# Altium PCB knixx_SW4_00.PcbDoc (continued)
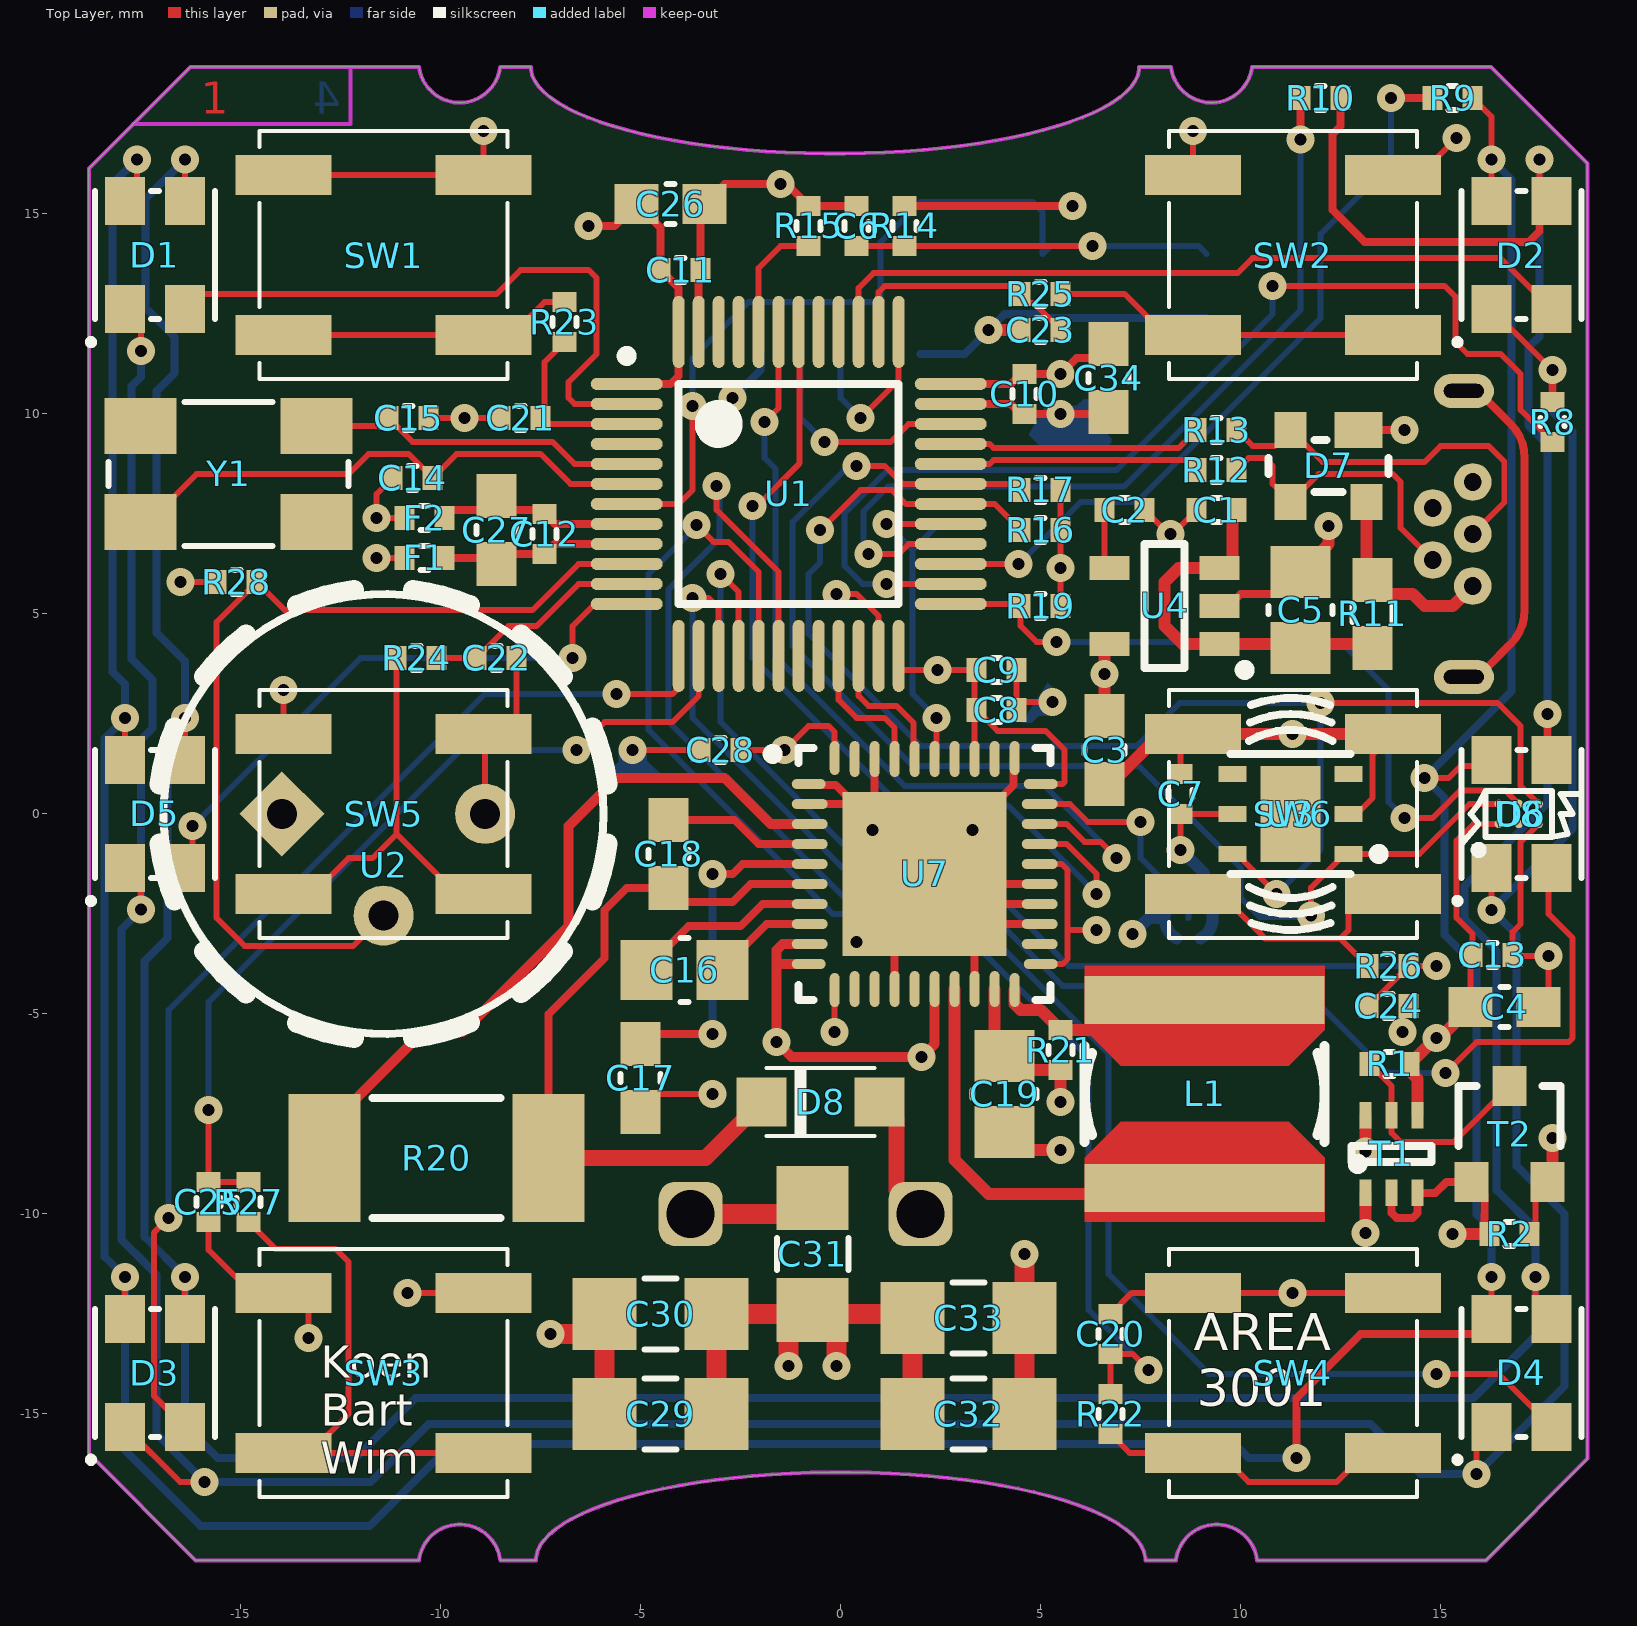
[diagram p0: Top Layer view]
## Footprints (in the part's own frame and the unit in brackets; to place one, negate y for a bottom-side part, rotate by r counter-clockwise, add the part's x,y. Pads: shape width x height; smd on the part's side, far side on the other; paste and mask are expansions set on the pad)
ABMM2 [mm]
  rect 1.8x1.4 smd: 1(-2.2,-1.2) 2(2.2,-1.2) 3(2.2,1.2) 4(-2.2,1.2)
  silkscreen extent -3,-1.8 3,1.8, body extent -3,-1.8 3,1.8, height 1.21
AMS_6TSV [mm] "Through Silicon Via package"
  round 0.213 smd: 1(-0.5,-0.25) 2(0,-0.25) 3(0.5,-0.25) 4(0.5,0.25) 5(0,0.25) 6(-0.5,0.25)
  silkscreen extent -1.1,-1 0.83,0.57, body extent -0.83,-0.57 0.83,0.57, height 0.33
C0402 [mm]
  rect 0.5x0.6 smd: 1(-0.5,0) 2(0.5,0)
  silkscreen extent -0.1,-0.3 0.1,0.3, body extent -0.5,-0.25 0.5,0.25, height 0.5
C0603_N [mm] "Low density"
  rect 1.1x1 smd: 1(-0.85,0) 2(0.85,0)
  silkscreen extent -0.1,-0.5 0.1,0.5, body extent -0.8,-0.4 0.8,0.4, height 0.3
C0805_N [mm] "Low density"
  rect 1.3x1.5 smd: 1(-0.95,0) 2(0.95,0)
  silkscreen extent -0.1,-0.8 0.1,0.8, body extent -1,-0.62 1,0.63, height 0.78
C1206_N [mm] "low density"
  rect 1.6x1.8 smd: 1(-1.4,0) 2(1.4,0)
  silkscreen extent -0.4,-0.89 0.4,0.89, body extent -1.6,-0.8 1.6,0.8, height 1
CK_KMR4 [mm] "C&K KMR 4 series tactile switches"
  rect 0.9x1 smd: 1(-2.05,-0.8) 1(2.05,-0.8) 2(-2.05,0.8) 2(2.05,0.8)
  silkscreen extent -2.1,-1.4 2.1,1.4, body extent -2.1,-1.4 2.1,1.4, height 2.5
CK_KSC6XXJ [mm] "C&K KSC6 series tactile switches"
  rect 2.4x1 smd: 1(-2.5,-2) 1(2.5,-2) 2(-2.5,2) 2(2.5,2)
  silkscreen extent -3.1,-3.1 3.1,3.1, body extent -3.4,-3.15 3.4,3.15, height 7.67
CK_KSC6xxJ [mm] "C&K KSC6 series tactile switches"
  rect 2.4x1 smd: 1(-2.5,-2) 1(2.5,-2) 2(-2.5,2) 2(2.5,2)
  silkscreen extent -3.1,-3.1 3.1,3.1, body extent -3.4,-3.15 3.4,3.15, height 7.67
CREE_CLV1A-FKB [mm] "Chip LED, 4-Leads, Body 3,2x2.8mm, IPC Medium Density"
  rect 1.2x1 smd: 1(-1.35,0.75) 2(-1.35,-0.75) 3(1.35,-0.75) 4(1.35,0.75)
  silkscreen extent -2.2,-1.5 1.6,1.62, body extent -1.77,-1.4 1.77,1.4, height 1.9
IND_6045 [mm] "TDK 6x6mm Inductor 4.5mm height"
  rect 1.2x6 smd: 1(-2.35,0) 2(2.35,0)
  Top Layer region: -0.7,2.1 -1.6,3 -3.2,3 -3.2,-3 -1.6,-3 -0.7,-2.1
  Top Layer region: 0.7,2.1 1.6,3 3.2,3 3.2,-3 1.6,-3 0.7,-2.1
  silkscreen extent -1.2,-3 1.2,3, body extent -3,-3 3,3, height 4.5
L0402 [mm]
  rect 0.5x0.6 smd: 1(-0.5,0) 2(0.5,0)
  silkscreen extent -0.1,-0.3 0.1,0.3, body extent -0.5,-0.25 0.5,0.25, height 0.6
ON_SOD-123FL [mm] "ON_SOD-123FL"
  rect 1.25x1.22 smd: 1(-1.475,0) 2(1.475,0)
  silkscreen extent -1.35,-0.85 1.35,0.85, body extent -1.8,-0.82 1.8,0.83, height 0.95
ONS_QFN40_6x6 [mm] "QFN, 40-Leads, Body 6,00x6,00mm, Pitch 0,50mm, Thermal Pad 4,10x4,10mm, IPC Medium Density"
  oval 0.85x0.25 smd: 1(-2.9,2.25) 10(-2.9,-2.25) 21(2.9,-2.25) 30(2.9,2.25)
  oval 0.9x0.25 smd: 2(-2.875,1.75) 3(-2.875,1.25) 4(-2.875,0.75) 5(-2.875,0.25) 6(-2.875,-0.25) 7(-2.875,-0.75) 8(-2.875,-1.25) 9(-2.875,-1.75) 22(2.875,-1.75) 23(2.875,-1.25) 24(2.875,-0.75) 25(2.875,-0.25) 26(2.875,0.25) 27(2.875,0.75) 28(2.875,1.25) 29(2.875,1.75)
  oval 0.25x0.85 smd: 11(-2.25,-2.9) 20(2.25,-2.9) 31(2.25,2.9) 40(-2.25,2.9)
  oval 0.25x0.9 smd: 12(-1.75,-2.875) 13(-1.25,-2.875) 14(-0.75,-2.875) 15(-0.25,-2.875) 16(0.25,-2.875) 17(0.75,-2.875) 18(1.25,-2.875) 19(1.75,-2.875) 32(1.75,2.875) 33(1.25,2.875) 34(0.75,2.875) 35(0.25,2.875) 36(-0.25,2.875) 37(-0.75,2.875) 38(-1.25,2.875) 39(-1.75,2.875)
  rect 4.1x4.1 smd paste-10: 41(0,0)
  silkscreen extent -3.92,-3.15 3.15,3.15, body extent -3,-3 3,3, height 0.8
PAN_EKMC1601111 [mm] "Panasonic EKMC1601111 PIR"
  rect 1.5x1.5 hole 0.75: 1(-1.796,1.796)
  round 1.5 hole 0.75: 2(-1.796,-1.796) 3(1.796,-1.796)
  silkscreen extent -5.5,-5.5 5.5,5.5, body extent -5.51,-5.49 5.52,5.49, height 14.45
R0402 [mm]
  rect 0.5x0.6 smd: 1(-0.5,0) 2(0.5,0)
  silkscreen extent -0.1,-0.3 0.1,0.3, body extent -0.5,-0.25 0.5,0.25, height 0.35
R0603_N [mm] "Low density"
  rect 1.1x1 smd: 1(-0.85,0) 2(0.85,0)
  silkscreen extent -0.2,-0.5 0.2,0.5, body extent -0.8,-0.41 0.8,0.41, height 0.45
R2512 [mm] "R2512"
  rect 1.8x3.2 smd: 1(-2.8,0) 2(2.8,0)
  silkscreen extent -1.6,-1.5 1.6,1.5, body extent -3.36,-1.65 3.44,1.65, height 0.64
SNS_DFN6 [mm] "150 mil body width"
  rect 0.7x0.4 smd: 1(-1.45,1) 2(-1.45,0) 3(-1.45,-1) 4(1.45,-1) 5(1.45,0) 6(1.45,1)
  rect 1.5x2.4 smd: 7(0,0)
  silkscreen extent -2.33,-1.5 1.5,1.5, body extent -1.5,-1.5 1.5,1.5, height 1.1
SOLDER_SW_C_1MM_3 [mm] "1 mm Circular solder switch"
  round 0.3 smd paste-10 mask+0.05: 1(0,-0.6) 3(0,0.6)
  round 0.6 smd paste-10 mask+0.102: 2(0,0)
  Top Layer lines w0.3: 0.46,-0.386 cw(c0,0) 0,-0.6 cw(c0,0) -0.52,-0.3 ; -0.52,0.3 cw(c0,0) 0,0.6 cw(c0,0) 0.46,0.386
  silkscreen extent -0.9,-0.9 0.9,0.9
SOT23-3 [mm] "SOT-23; 3 Leads; Body 3.1 x 2.5 mm, inc. leads (LxW max)"
  rect 0.85x1 smd: 1(-0.95,-1.2) 2(0.95,-1.2) 3(0,1.2)
  silkscreen extent -1.27,-0.3 1.28,1.2, body extent -1.5,-1.32 1.5,1.32, height 1.08
SOT-143 [mm] "SOT-143"
  rect 1.2x0.9 smd: 1(-0.75,-0.9)
  rect 0.8x0.9 smd: 2(0.95,-0.9) 3(0.95,0.9) 4(-0.95,0.9)
  silkscreen extent -1.5,-0.65 1.5,0.65, body extent -1.46,-1.21 1.46,1.21, height 1
SOT-363 [mm] "SOT23, 6-Leads, Body 3,1x3,2mm (max), Pitch 0,95mm, IPC Medium Density"
  rect 0.66x0.3 smd: 1(-0.97,0.65) 2(-0.97,0) 3(-0.97,-0.65) 4(0.97,-0.65) 5(0.97,0) 6(0.97,0.65)
  silkscreen extent -0.37,-1 0.2,1, body extent -1.2,-1.1 1.2,1.1, height 1.1
STM_LQFP48_N [mm] "QFP, 48-Leads, Body 7x7mm, Pitch 0.5mm, IPC Medium Density"
  oval 1.8x0.3 smd: 1(-4.05,2.75) 2(-4.05,2.25) 3(-4.05,1.75) 4(-4.05,1.25) 5(-4.05,0.75) 6(-4.05,0.25) 7(-4.05,-0.25) 8(-4.05,-0.75) 9(-4.05,-1.25) 10(-4.05,-1.75) 11(-4.05,-2.25) 12(-4.05,-2.75) 25(4.05,-2.75) 26(4.05,-2.25) 27(4.05,-1.75) 28(4.05,-1.25) 29(4.05,-0.75) 30(4.05,-0.25) 31(4.05,0.25) 32(4.05,0.75) 33(4.05,1.25) 34(4.05,1.75) 35(4.05,2.25) 36(4.05,2.75)
  oval 0.3x1.8 smd: 13(-2.75,-4.05) 14(-2.25,-4.05) 15(-1.75,-4.05) 16(-1.25,-4.05) 17(-0.75,-4.05) 18(-0.25,-4.05) 19(0.25,-4.05) 20(0.75,-4.05) 21(1.25,-4.05) 22(1.75,-4.05) 23(2.25,-4.05) 24(2.75,-4.05) 37(2.75,4.05) 38(2.25,4.05) 39(1.75,4.05) 40(1.25,4.05) 41(0.75,4.05) 42(0.25,4.05) 43(-0.25,4.05) 44(-0.75,4.05) 45(-1.25,4.05) 46(-1.75,4.05) 47(-2.25,4.05) 48(-2.75,4.05)
  silkscreen extent -4.17,-2.75 2.75,3.57, body extent -4.5,-4.5 4.5,4.5, height 1.5
TI_DBV_R-PDSO-G5 [mm] "SOT23, 5-Leads, Body 2,90x2,80mm, Pitch 0,95mm, IPC Medium Density"
  rect 1x0.6 smd: 1(-1.375,0.95) 2(-1.375,0) 3(-1.375,-0.95) 4(1.375,-0.95) 5(1.375,0.95)
  silkscreen extent -2.13,-1.55 0.5,1.72, body extent -1.5,-1.52 1.5,1.53, height 1.3
TP_0.8mm [mm] "0.8mm pad"
  round 0.8 smd mask+0.05: 1(0,0)
  silkscreen extent -0.5,-0.5 0.5,0.5
WAGO_243-131 [mm]
  rrect50% 1.6x1.6 hole 1.2: 1(0,0)
  silkscreen extent -1.15,-1.15 1.15,1.15, body extent -1,-0.99 1,1, height 9
WAGO_243-211 [mm]
  silkscreen extent -4.2,-3.4 8.3,6.6, body extent -4.3,-3.4 8.3,6.6, height 10.05
WE_614105150721 [mm] "WR-COM_USB_Micro Type B_Vertical_THT Micro Type B Vertical THT"
  round 0.94 hole 0.44: 1(-1.3,0.5) 2(-0.65,-0.5) 3(0,0.5) 4(0.65,-0.5) 5(1.3,0.5)
  oval 0.85x1.5 hole 0.35 slot 1 at 90 deg: MH1(-3.575,0.28) MH2(3.575,0.28)
  silkscreen extent -3.7,-0.81 3.7,1.55, body extent -3.99,-1.07 4.01,1.83, height 5.62
WE_665305124022 [mm]
  rect 0.6x1.55 smd: 1(0,0) 2(-1,0) 3(-2,0) 4(-3,0) 5(-4,0)
  rect 1.2x2 smd: Z1(-5.3,-2.425) Z2(1.3,-2.425)
  silkscreen extent -5.5,-3.05 1.5,-0.2, body extent -5.51,-3.6 1.49,0.9, height 5.09

## Part data
C1 C6 C7 C13: library part "CAP # 100nF 16V 0402", "Capacitor Ceramic"
C2 C8 C9 C10 C11 C12 C20 C21 C22 C23 C24 C25 C28: library part "CAP # 10nF 16V 0402", "Capacitor Ceramic"
C3 C4 C26 C27 C34: library part "CAP # 1uF 16V 0603", "Capacitor Ceramic"
C5 C19: library part "CAP # 10uF 10V 0805", "Capacitor Ceramic"
C14 C15: library part "CAP # 12pF 50V 0402", "Capacitor Ceramic"
C16: library part "CAP # 220nF 50V 0805", "Capacitor Ceramic"
C17: library part "CAP # 100nF 50V 0603", "Capacitor Ceramic"
C18: library part "CAP # 47nF 50V 0603", "Capacitor Ceramic"
C29 C30 C31 C32 C33: library part "CAP # 22uF 35V 1206 X5R", "Capacitor Ceramic"
CON1: library part "Wago 243-211 Connector EIB"
D1 D2 D3 D4 D5 D6: library part "LED # RGB PLCC2 CLV1A-FKB", "=Description"
D7: library part "TVS # YSSR05", "=Description"
D8: library part "Schottky # NTS260SFT1G", "=Description"
F1 F2: library part "FER # 1K 0A35 0402 0R49 BLM15AX102SN1D"
J1: library part "USB Micro B TH VERTICAL 614105150721"
L1: library part "IND # 10uH 5.2x5.2mm SRU5028-100Y"
P1: library part "HDR # SHR 1.0mm 5way - 665305124022"
P2 P3: library part "Wago 234-131 Solder pin"
P4: library part "SW # Solder 3 pin Circular 1mm"
R1 R2: library part "RES # 100K 0402"
R8 R9 R10: library part "RES # 47R 0402"
R11: library part "RES # 0R 0603"
R12 R13: library part "RES # 22R 0402"
R14 R15 R19 R28: library part "RES # 10K 0402"
R16 R17: library part "RES # 4K7 0402"
R20: library part "RES # 27R 2512"
R21: library part "RES # 1R 0402"
R22 R23 R24 R25 R26 R27: library part "RES # 100R 0402"
SW1 SW2 SW3 SW4 SW5 SW6: library part "SW # TACT KSC621JLFS"
SW7: library part "SW # KMR4"
T1: library part "NTJD4152PT1G  Dual P-Ch MOSFET 0.8A 1.2Vgs 20Vds", "=Description"
T2: library part "BSS138 N-Ch MOSFET 0.2A 3.2Vgs 60Vds"
TP1: library part "TP # 0.8mm"
U1: library part "M0 # STM32F070C6T6", "=Description"
U2: library part "PIR 5m WH EKMC1601111", "=Description"
U3: library part "TMP HUM # SHT20", "=Description"
U4: library part "LDO # 3V3 0A1 ULN TPS79133", "=Description"
U7: library part "KNX # NCN5121", "=Description"
U8: library part "LGHT # TSL2584TSV", "=Description"
Y1: library part "XTAL # 12Mhz ABMM2", "Crystal Oscillator 4pin casing"

## Via types
v1: diameter 0.7, hole 0.3, Top Layer to Bottom Layer, tented top, 111 vias

## Nets (pads, with @x,y where several pads share a name; then routed paths per layer and width w, separated by ;. In a path a pad name is that pad's centre, name@x,y a point inside that pad or via, vN(x,y) a via of type N, cw(c..) or ccw(c..) an arc to the next point about the centre after c; other vN are vias at no path point)
3V3: C4.1 C7.1 C8.1 C9.1 C10.1 C11.1 C13.1 C26.1 C28.1 C34.1 F1.2 P1.5 P4.3 R1.1 R14.1 R16.1 R17.1 R19.1 T1.1 T1.4 U1.1 U1.24 U1.36 U1.48 U2.1 U3.5 U7.11 U7.21 U7.26 U7.30 U7.33 U7.40 U8.1 | length 52.4
  Top Layer w0.15: v1(-11.6,6.4) F1.2 ; C28.1 v1(-1.4,1.6) -0.8,2.2 -0.3,2.2 -0.15,2.05 U7.40 ; v1(-0.15,-5.45) U7.11 ; U1.24 1.45,3.6 v1(2.425,3.6) C9.1 3.35,3.55 U7.33 ; C8.1 3.925,2.075 5.125,2.075 5.6,1.6 5.6,0.8 5.55,0.75 U7.30 ; U7.26 5.525,-1.25 5.675,-1.4 5.675,-3.625 5.55,-3.75 U7.21 ; R19.1 R16.1 R17.1 ; 5.675,-2.9 v1(6.4,-2.9) ; v1(8.5,-0.9) 8.5,-0.1 8.4,0 C7.1 U3.5 ; C4.1 C13.1@15.75,-3.575 ; C13.1 15.8,-3 15.4,-2.6 15.4,-0.668 15.818,-0.25 U8.1
  Top Layer w0.2: v1(-6.3,14.7) -5.65,14.7 C26.1 -4.5,14.65 C11.1 -4.05,13.15 U1.48 -4.05,10.95 -4.25,10.75 U1.1 ; R14.1 v1(5.8,15.2) ; U1.36 4.25,10.75 4.5,11 C10.1 v1(5.5,11) 5.9,11.4 6.35,11.4 C34.1
  Top Layer w0.3: v1(13.125,-10.475) T1.1 ; T1.4 14.425,-6.625 14.225,-6.425 R1.1 14.875,-5.6 v1(14.9,-5.6) 14.9,-5.675 C4.1
  Bottom Layer w0.2: v1(-2.7,10.4) -2,11.1 P1.5
  Bottom Layer w0.3: v1(8.5,-0.9) 9.086,-1.486 9.086,-2.14
  other v1: 5.5,6.15
3V3_BUS: C19.1 R21.1 T1.6 U7.19 | length 13.2
  Top Layer w0.3: U7.19 3.85,-5.8 C19.1 4.45,-6.4 R21.1 v1(5.5,-7.2) ; v1(13.125,-8.435) T1.6
  L3 w1: v1(5.5,-7.2) 11.891,-7.2 v1(13.125,-8.435)
3V3_USB: C3.1 R2.1 T1.2 T1.3 T2.1 U4.5 | length 30.8
  Top Layer w0.2: T1.2 13.775,-9.975 13.9,-10.1 14.3,-10.1 14.425,-9.975 T1.3 14.87,-9.47 15.141,-9.2 T2.1 16.1,-9.525 16.1,-10.375 R2.1
  Top Layer w0.3: C3.1 6.6,4.125 U4.5 ; v1(15.3,-10.5) R2.1
  L3 w0.5: v1(6.6,3.5) 6.625,3.525 13.6,3.525 17.175,-0.05 17.175,-2.675 16.375,-3.475 16.375,-9.425 v1(15.3,-10.5)
3V3A: C12.1 C27.1 F1.1 U1.9 | length 4.8
  Top Layer w0.2: F1.1 -8.75,6.4 C27.1 -8.35,6.5 C12.1 -7.15,6.75 U1.9
5V: C1.1 C5.1 R11.2 U4.1 U4.3 | length 9.8
  Top Layer w0.3: C1.1 9.8,7.5 9.8,6.3 9.65,6.15 U4.3 8.45,6.15 8.1,5.8 8.1,4.7 8.55,4.25 U4.1 13.2,4.25 R11.2
AGND: C12.2 C27.2 F2.1 U1.8 | length 5.1
  Top Layer w0.15: C12.2@-7.5,7.6 C12.2
  Top Layer w0.2: F2.1 -9.7,7.6 -8.95,7.6 C27.2 -8.25,7.6 C12.2@-7.5,7.6 ; C12.2 -7.15,7.25 U1.8
BUS.RST: U1.21 U7.37 | length 3.6
  Top Layer w0.15: U1.21 -0.05,2.85 0.4,2.4 1.1,2.4 1.35,2.15 U7.37
BUS.SAVE: U1.22 U7.36 | length 3.6
  Top Layer w0.15: U1.22 0.45,2.95 0.7,2.7 1.4,2.7 1.825,2.275 1.825,1.4 U7.36
CH: J1.MH1 J1.MH2 | length 8.6
  Top Layer w0.2: J1.MH1 ccw(c15.58,4.258) 16.169,3.669 16.746,4.246 ccw(c15.893,5.1) 17.1,5.1 17.1,8.9 ccw(c15.893,8.9) 16.746,9.754 16.169,10.331 ccw(c15.58,9.742) J1.MH2
GND: C1.2 C2.2 C3.2 C4.2 C5.2 C6.2 C7.2 C8.2 C9.2 C10.2 C11.2 C13.2 C14.2 C15.2 C17.2 C19.2 C20.2 C21.2 C22.2 C23.2 C24.2 C25.2 C26.2 C28.2 C29.2 C30.2 C31.2 C32.2 C33.2 C34.2 D7.1 F2.2 J1.5 P1.1 P3.1 P4.1 R2.2 R15.2 R28.2 SW1.2 SW2.2 SW3.2 SW4.2 SW5.2 SW6.2 SW7.2 T2.2 U1.23 U1.35 U1.47 U2.3 U3.2 U4.2 U7.1 U7.2 U7.14 U7.18 U7.23 U7.24 U7.25 U7.31 U7.38 U7.41 U8.3 | length 128
  Top Layer w0.15: v1(-16.5,5.8) R28.2 ; C25.2 -15.8,-10.9 -14.73,-11.97 -13.93,-11.97 -13.33,-11.97 -13.3,-12 v1(-13.3,-13.1) ; SW5.2@-13.93,2 v1(-13.93,3.1) ; SW1.2@-13.93,15.97 SW1.2@-13.03,15.97 ; SW1.2@-13,16 SW1.2@-13.03,15.97 ; C14.2 -11.6,8 v1(-11.6,7.4) F2.2 ; v1(-10.83,-11.97) SW3.2@-8.93,-11.97 ; C15.2 v1(-9.4,9.9) C21.2 ; v1(-8.93,17.07) -8.93,15.97 SW1.2@-13.03,15.97 ; U2.3 -8.89,1.96 -8.93,2 -8.1,2 C22.2 ; v1(-5.2,1.6) C28.2 ; C17.2 -4.55,-7 v1(-3.2,-7) ; v1(-0.1,5.5) 0.4,5.5 0.95,4.95 U1.23 ; C9.2 4.4,2.8 v1(5.3,2.8) ; C20.2 7.28,-11.97 8.803,-11.97 SW4.2@13.803,-11.97 ; C2.2 8.2,7 v1(8.25,7) 8.3,7 C1.2 ; C7.2 8.5,1.697 SW6.2@8.803,2 ; SW2.2@8.803,15.97 v1(8.803,17.07) ; U3.2 12.9,0 13.3,0.4 13.3,1.497 SW6.2@13.803,2 ; SW2.2@13.803,15.97 14.47,15.97 v1(15.4,16.9) ; v1(14.05,-5.45) 14.05,-4.95 C24.2 ; R2.2 17.368,-10.357 17.368,-9.507 T2.2 T2.2@17.8,-9.075 ; C4.2 17.7,-4.575 v1(17.7,-3.55) 16.825,-3.55 C13.2 16.8,-2.95 17,-2.75 17,-0.7 U8.3
  Top Layer w0.2: U1.47 C11.2@-3.55,13.6 ; C11.2 C26.2@-3.5,15.2 ; C26.2 -2.9,15.75 v1(-1.5,15.75) -1.35,15.75 R15.2 C6.2 ; U7.1 -0.8,0.725 -0.125,0.725 U7.41@0.35,0.25 ; U7.2 U7.41@0.35,0.25 ; U7.38 U7.41@0.85,-0.25 ; U7.14 1.35,-2.25 U7.41@1.9,-1.7 ; U1.35 4.25,10.25 4.5,10 C10.2 v1(5.5,10) C34.2@6.65,10 ; U7.18 U7.41@3.35,-2.75 ; U7.31 4.325,1.375 4.325,0.725 3.3,-0.3 v1(3.3,-0.4) 3.2,-0.4 U7.41 ; U7.23 U7.41@3.35,-2.75 ; U7.24 U7.41@2.85,-2.25 ; U7.25 U7.41@2.35,-1.75 ; C34.2 C34.2@6.7,10.35 ; U4.2 9.7,5.2 10,5.5 10.95,5.5 C5.2 ; D7.1 v1(14.1,9.6) ; U7.41@0.35,0.25 U7.41@0.85,-0.25 ; U7.41@0.85,-0.25 U7.41 ; U7.41@1.9,-1.7 2.95,-2.75 U7.41@3.35,-2.75 ; U7.41@1.9,-1.7 U7.41 ; U7.41 U7.41@2.35,-1.75 ; U7.41@2.35,-1.75 U7.41@2.85,-2.25 ; U7.41@2.85,-2.25 U7.41@3.35,-2.75
  Top Layer w0.3: v1(3.7,12.1) C23.2 ; C19.2 4.55,-8.4 v1(5.5,-8.4) ; C3.2 6.75,0.75 8,2 8.803,2 v1(11.3,2) SW6.2@13.803,2 ; C5.2 12.2,6.75 v1(12.2,7.2) ; T2.2 T2.2@17.675,-9.075 ; T2.2@17.8,-9.075 v1(17.8,-8.1)
  Top Layer w0.5: v1(-7.25,-13) -6.4,-13 C30.2 C29.2 ; P3.1 -1.1,-10 C31.2 ; C32.2 v1(4.6,-11)
  Bottom Layer w0.2: P1.1 3.1,11.5 v1(3.7,12.1) 4.1,12.5 4.95,12.5 5.05,12.4 SW7.2@9.15,12.4
  Bottom Layer w0.3: v1(7.3,-3) 7.7,-2.6 P4.1
  other v1: 11.3,-11.97 0.4,-3.2 0.8,-0.4
LED.A1: D1.2 U1.2 | length 15.6
  Top Layer w0.15: D1.2 -16.015,13 -8.6,13 -8,13.6 -6.3,13.6 -6.1,13.4 -6.1,11.5 -6.8,10.8 -6.8,10.4 -6.65,10.25 U1.2
LED.A2: D2.2 U1.39 | length 19.3
  Top Layer w0.15: U1.39 0.45,13.15 0.825,13.525 9.925,13.525 10.3,13.9 16.488,13.9 D2.2
LED.A3: D3.2 U1.13 | length 27.9
  Top Layer w0.15: v1(-16.8,-10.1) -17.17,-10.47 -17.17,-14.545 D3.2 ; v1@-5.7,3 -4.2,3 -4.05,3.15 U1.13
  Bottom Layer w0.15: v1(-16.8,-10.1) -16.8,-4.9 -8.9,3 v1(-5.6,3)
LED.A4: D4.2 U1.18 | length 43.9
  Top Layer w0.15: v1(-3.1,8.2) -3.1,7.6 -1.55,6.05 U1.18 ; v1(14.9,-13.997) 14.903,-14 16.448,-14 D4.2
  Bottom Layer w0.15: v1(-3.1,8.2) -3.025,8.125 -3.025,6.888 -4.3,5.613 -4.3,2.3 0.1,-2.1 2.8,-2.1 6.7,-6 6.7,-11.5 9.197,-13.997 v1(14.9,-13.997)
LED.A5: D5.2 U1.12 | length 14.7
  Top Layer w0.15: D5.2 -16.2,-1.155 v1(-16.2,-0.3) ; v1(-6.7,3.9) -6.7,4.7 -6.15,5.25 U1.12
  Bottom Layer w0.15: v1(-16.2,-0.3) -12,3.9 v1(-6.7,3.9)
LED.A6: D6.2 U1.15 | length 35.5
  Top Layer w0.15: v1(-3.7,5.4) -3.3,5.4 -3.05,5.15 U1.15 ; v1(15.125,-6.475) 15.9,-5.7 18.2,-5.7 18.3,-5.6 18.3,-3.1 17.7,-2.5 17.7,-1.418 D6.2
  Bottom Layer w0.15: v1(-3.7,5.4) -3.7,2.4 0.4,-1.7 2.95,-1.7 5.55,-4.3 11.5,-4.3 13.675,-6.475 v1(15.125,-6.475)
LED.B: D1.3 D2.3 D3.3 D4.3 D5.3 D6.3 R10.1 | length 116.1
  Top Layer w0.15: D3.3 v1(-16.395,-11.577) ; D5.3 v1(-16.395,2.393) ; D1.3 v1(-16.395,16.363) ; D4.3@17.368,-12.62 v1(17.368,-11.577) ; D2.3@17.468,15.32 v1(17.468,16.363)
  Top Layer w0.2: R10.1 12.5,17.2 12.3,17 12.3,15.1 13.1,14.3 17.2,14.3 17.468,14.568 17.468,15.02 D2.3 ; v1(17.668,2.493) 17.668,1.45 D6.3
  Bottom Layer w0.2: v1(-16.395,16.363) -17.375,15.383 -17.375,12.65 -16.65,11.925 -16.65,11.025 -17.1,10.575 -17.1,4.525 -16.395,3.82 v1(-16.395,2.393) -16.825,1.963 -16.825,-3.1 -17.4,-3.675 -17.4,-10.572 v1(-16.395,-11.577) -16.395,-15.28 -15.575,-16.1 -12.125,-16.1 -10.625,-14.6 15.818,-14.6 17.368,-13.05 v1(17.368,-11.577) 17.368,-10.377 16.4,-9.409 16.4,-3.425 15.6,-2.625 15.6,-1.8 17.668,0.268 v1(17.668,2.493) 17.668,9.232 17.188,9.712 17.188,11.658 17.468,11.938 v1(17.468,16.363)
LED.CB: R10.2 U1.28 | length 21.9
  Top Layer w0.15: v1@0.7,6.4 v1@0.699,6.401 ; U1.28 1.7,6.75 1.449,6.499 v1(0.699,6.499) ; v1@0.699,6.401 0.601,6.499 v1(0.699,6.499) ; v1@0.699,6.401 v1(0.699,6.499)
  Top Layer w0.2: v1(11.5,16.857) R10.2
  Bottom Layer w0.15: v1(0.699,6.499) 0.575,6.623 0.575,7.575 1.187,8.187 7.087,8.187 11.5,12.6 v1(11.5,16.857)
LED.CG: R9.2 U1.27 | length 19.1
  Top Layer w0.15: U1.27 v1(4.45,6.25)
  Top Layer w0.2: v1(13.757,17.9) R9.2
  Bottom Layer w0.15: v1(4.45,6.25) 6,7.8 7.4,7.8 12,12.4 12,14.5 13.757,16.257 v1(13.757,17.9)
LED.CR: R8.2 U1.26 | length 27.4
  Top Layer w0.15: v1(1.15,5.75) U1.26 ; v1(10.8,13.2) 15.1,13.2 15.368,12.932 15.368,11.8 15.668,11.5 16.5,11.5 17,11 17,10.1 R8.2
  Bottom Layer w0.15: v1(1.15,5.75) 0.55,5.75 0.1,6.2 0.1,7.524 1.176,8.6 6.9,8.6 10.8,12.5 v1(10.8,13.2)
LED.G: D1.4 D2.4 D3.4 D4.4 D5.4 D6.4 R9.1 | length 109.9
  Top Layer w0.15: D3.4 v1(-17.895,-11.577) ; D5.4 v1(-17.895,2.393) ; D1.4@-17.595,15.32 v1(-17.595,16.363) ; v1(14.6,0.9) 15.2,0.9 15.5,1.2 16.068,1.2 D6.4@16.268,1.4 ; R9.1 16.268,17.432 v1(16.268,16.363) D2.4 ; D4.4 v1(16.268,-11.577)
  Top Layer w0.2: v1(11.4,-16.1) 11.4,-14.6 13,-13 15.888,-13 D4.4
  Bottom Layer w0.2: v1(-17.595,16.363) -18.2,15.758 -18.2,3.55 -17.895,3.245 v1(-17.895,2.393) -18.4,1.888 -18.4,-11.072 v1(-17.895,-11.577) -17.895,-15.905 -16,-17.8 -11.775,-17.8 -9.725,-15.75 9.85,-15.75 10.2,-16.1 v1(11.4,-16.1) ; v1(16.268,-11.577) 16.268,-10.377 15.9,-10.009 15.9,-3.825 15.1,-3.025 15.1,0.4 v1(14.6,0.9) 16.775,3.075 16.775,15.856 v1(16.268,16.363)
LED.R: D1.1 D2.1 D3.1 D4.1 D5.1 D6.1 R8.1 | length 103.7
  Top Layer w0.15: D3.1 -16.515,-16.7 v1(-15.9,-16.7) ; v1(-17.495,-2.393) D5.1@-17.495,-1.35 ; v1(-17.495,11.577) D1.1@-17.495,12.62 ; v1(15.9,-16.5) 15.9,-14.952 D4.1 ; D6.1 16.275,-1.357 v1(16.275,-2.4) ; D2.1 v1(17.788,11.1)
  Top Layer w0.2: v1(17.788,11.1) 17.8,11.088 R8.1
  Bottom Layer w0.2: v1(-17.495,11.577) -17.495,10.93 -17.725,10.7 -17.725,3.875 -17.2,3.35 -17.2,2.15 -17.495,1.855 v1(-17.495,-2.393) -17.975,-2.873 -17.975,-10.65 -17.648,-10.977 -17.646,-10.977 -17.1,-11.523 -17.1,-15.5 v1(-15.9,-16.7) -11.75,-16.7 -10.3,-15.25 13.25,-15.25 14.5,-16.5 v1(15.9,-16.5) 18.1,-14.3 18.1,-10 16.9,-8.8 16.9,-3.025 v1(16.275,-2.4) 18.3,-0.375 18.3,9.545 17.788,10.057 v1(17.788,11.1)
NetC2_1: C2.1 U4.4 | length 1.5
  Top Layer w0.15: C2.1 6.6,6.275 U4.4
NetC14_1: C14.1 U1.6 Y1.1 | length 13.7
  Top Layer w0.15: Y1.1 -17.3,7.3 -16.1,8.5 -12.3,8.5 -11.8,9 -10.8,9 C14.1 -9.6,9 -7.5,9 -6.75,8.25 U1.6
NetC15_1: C15.1 U1.5 Y1.3 | length 8.3
  Top Layer w0.15: Y1.3 -11.5,9.7 C15.1 -10.7,9.3 -7.2,9.3 -6.65,8.75 U1.5
NetC16_1: C16.1 U7.7 | length 5
  Top Layer w0.2: C16.1@-5.05,-3.9 -4.9,-3.9 -3.8,-2.8 -2.5,-2.8 -1.95,-2.25 U7.7
NetC16_2: C16.2 U7.8 | length 2.9
  Top Layer w0.2: C16.2@-3.15,-3.9 -3,-3.9 -1.85,-2.75 U7.8
NetC17_1: C17.1 U7.5 | length 8.3
  Top Layer w0.2: C17.1 C17.1@-4.95,-5.7 ; C17.1@-4.95,-5.5 v1(-3.2,-5.5) ; v1(-3.2,-1.5) -2.7,-1.5 -2.45,-1.25 U7.5
  Bottom Layer w0.2: v1(-3.2,-5.5) v1(-3.2,-1.5)
NetC18_1: C18.1 U7.4 | length 3.8
  Top Layer w0.2: C18.1 -2.65,-0.15 -2.05,-0.75 U7.4
NetC18_2: C18.2 D8.1 R20.2 U7.6 | length 18.4
  Top Layer w0.2: R20.2 -7.3,-5 -5.9,-3.6 -5.9,-2.4 -5.35,-1.85 C18.2 -3.95,-2.2 -2.7,-2.2 -2.25,-1.75 U7.6
  Top Layer w0.4: R20.2 -3.375,-8.6 D8.1
NetD7_2: D7.2 J1.3 R13.1 | length 9.8
  Top Layer w0.15: R13.1 10.3,9.2 10.85,9.2 D7.2 12.05,8.8 14.6,8.8 15,9.2 16.2,9.2 16.6,8.8 16.6,7.8 J1.3
NetD7_3: D7.3 J1.2 R12.1 | length 7.6
  Top Layer w0.15: R12.1 10.2,8.9 10.6,8.9 10.8,8.7 10.8,8.25 D7.3 11.95,8.5 13.8,8.5 14,8.3 14,7.15 J1.2
NetD8_2: D8.2 P2.1 | length 3.2
  Top Layer w0.4: D8.2 1.4,-7.625 1.4,-9.4 P2.1
NetL1_1: L1.1 U7.17 | length 10.9
  Top Layer w0.3: U7.17 2.85,-8.65 3.7,-9.5 8.95,-9.5 L1.1
NetL1_2: L1.2 R21.2 U7.20 | length 5.7
  Top Layer w0.3: U7.20 4.35,-4.75 4.5,-4.9 5,-4.9 R21.2 8.35,-5.4 L1.2
NetP4_2: P4.2 U7.29 | length 5.8
  Top Layer w0.15: U7.29 5.732,0.25 6.182,-0.2 v1(7.5,-0.2)
  Bottom Layer w0.15: v1(7.5,-0.2) 7.5,-1.1 8,-1.6 8.4,-1.6 8.7,-1.9 P4.2
NetR1_2: R1.2 T1.5 T2.3 | length 5.6
  Top Layer w0.15: R1.2 13.775,-6.8 T1.5 13.775,-7.975 14,-8.2 15.325,-8.2 T2.3
NetR15_1: R15.1 U1.44 | length 3.1
  Top Layer w0.15: U1.44 -2.05,13.65 -1.5,14.2 R15.1
NetR20_1: R20.1 U7.3 | length 18.4
  Top Layer w0.25: R20.1 -12.9,-7.9 -10.45,-5.45 -9.45,-5.45 -6.8,-2.8 -6.8,-0.3 -5.6,0.9 -2.9,0.9 -1.75,-0.25 U7.3
NetR22_1: R22.1 SW4.1 | length 7.9
  Top Layer w0.15: R22.1 7.22,-15.97 8.803,-15.97 9.47,-15.97 10.2,-16.7 12.4,-16.7 13.13,-15.97 SW4.1@13.803,-15.97
NetR23_1: R23.1 SW1.1 | length 7.4
  Top Layer w0.15: SW1.1@-13.93,11.97 -8.93,11.97 -8.23,11.97 -7.4,12.8 R23.1
NetR24_1: R24.1 SW5.1 | length 10.6
  Top Layer w0.15: SW5.1@-13.93,-2 -13.2,-2 -12.3,-1.1 -11.7,-1.1 -11.1,-0.5 ; R24.1 -11.1,-0.5 ; SW5.1@-8.93,-2 -9.6,-2 -11.1,-0.5
NetR25_1: R25.1 SW2.1 | length 8.7
  Top Layer w0.15: R25.1 7.1,13 8.13,11.97 8.803,11.97 SW2.1@13.803,11.97
NetR26_1: R26.1 SW6.1 | length 7.2
  Top Layer w0.15: SW6.1@8.803,-2 9.5,-2 10.613,-3.113 12.487,-3.113 ; R26.1 13.175,-3.8 12.487,-3.113 ; SW6.1@13.803,-2 13.403,-2.4 12.7,-2.4 12.7,-2.9 12.487,-3.113
NetR27_1: R27.1 SW3.1 | length 13.1
  Top Layer w0.15: R27.1 -14.13,-10.87 -12.63,-10.87 -12.3,-11.2 -12.3,-15 SW3.1@-13.27,-15.97 ; SW3.1@-13.93,-15.97 SW3.1@-13.27,-15.97 ; SW3.1@-8.93,-15.97 SW3.1@-13.27,-15.97
PIR: R28.1 U1.10 U2.2 | length 23.6
  Top Layer w0.15: U2.2 -12.19,-3.3 -14.9,-3.3 -15.6,-2.6 -15.6,4.8 R28.1 -13.9,5.1 -7.7,5.1 -6.55,6.25 U1.10
PROX.INT: R19.2 U1.25 U8.5 | length 18.8
  Top Layer w0.15: U1.25 4.45,5.25 R19.2 4.5,4.7 4.9,4.3 v1(5.4,4.3) ; v1(14.1,-0.1) 14.8,-0.1 15.482,0.581 16.618,0.581 U8.5
  Bottom Layer w0.15: v1(5.4,4.3) 12.5,4.3 13.7,3.1 13.7,0.3 v1(14.1,-0.1)
SCL: R16.2 U1.30 U3.6 U8.4 | length 37.1
  Top Layer w0.15: v1(-0.513,7.1) -0.5,7.1 0.5,8.1 1.276,8.1 1.626,7.75 U1.30 3.85,7.75 R16.2 ; U3.6 9.9,-1 v1(10.9,-2) ; v1(12,2.775) 16.425,2.775 17,2.2 17,0.7 U8.4
  Bottom Layer w0.15: v1(-0.513,7.1) -0.513,6.287 -0.8,6 -0.8,4.5 2,1.7 7.4,1.7 8.475,2.775 v1(12,2.775) 12,-0.9 v1(10.9,-2)
SDA: R17.2 U1.31 U3.1 U8.6 | length 32.1
  Top Layer w0.15: v1(0.4,8.7) 1.1,8.7 1.55,8.25 U1.31 4.35,8.25 R17.2 ; v1(11.762,-2.538) 11.762,-1.838 12.6,-1 U3.1 14.468,-1 15.718,0.25 U8.6
  Bottom Layer w0.15: v1(0.4,8.7) 0.2,8.7 -1.2,7.3 -1.2,4.2 1.8,1.2 7.45,1.2 10,-1.35 10,-2.1 10.475,-2.575 11.725,-2.575 v1(11.762,-2.538)
ST.MCO: TP1.1 U1.29 U7.35 | length 9
  Top Layer w0.15: v1(1.15,7.25) U1.29 ; U7.35 2.4,1.425 v1(2.4,2.4)
  Bottom Layer w0.15: v1(1.15,7.25) 1.8,6.6 ; v1(2.4,2.4) 1.8,3 1.8,6.6 ; TP1.1 1.8,6.6
ST.RST: C6.1 P1.2 R14.2 SW7.1 U1.7 | length 29
  Top Layer w0.15: U1.7 -4.05,7.75 -3.7,8.1 v1(-3.7,10.2) ; C6.1 R14.2 v1(6.3,14.2)
  Bottom Layer w0.15: v1(-3.7,10.2) -3.7,11.4 -2.3,12.8 1,12.8 ; P1.2 1,12.8 ; SW7.1@9.15,14 8.95,14.2 v1(6.3,14.2) 5.25,14.2 5.05,14 5.05,15.05 4.8,15.3 2,15.3 1,14.3 1,12.8
ST.RX: U1.43 U7.28 | length 21.3
  Top Layer w0.15: v1(-1.9,9.8) -1.55,10.15 U1.43 ; U7.28 5.65,-0.25 6.1,-0.7 6.5,-0.7 v1(6.9,-1.1)
  Bottom Layer w0.15: v1(-1.9,9.8) -1.9,8.9 -1.625,8.625 -1.625,3.925 1.6,0.7 5.1,0.7 v1(6.9,-1.1)
ST.TX: U1.42 U7.27 | length 22
  Top Layer w0.15: v1(-2.2,7.7) -2.093,7.7 -1.025,8.768 -1.025,12.025 U1.42 ; U7.27 5.65,-0.75 6.4,-1.5 v1(6.4,-2)
  Bottom Layer w0.15: v1(-2.2,7.7) -2.2,3.9 1.5,0.2 4.2,0.2 v1(6.4,-2)
SW1: C21.1 R23.2 U1.3 | length 4.4
  Top Layer w0.15: R23.2 -7.4,11.3 -7.4,10 C21.1 -7.35,9.75 U1.3
SW2: C23.1 R25.2 U1.38 | length 6.1
  Top Layer w0.15: U1.38 0.95,13.05 1.1,13.2 4.3,13.2 R25.2 4.725,12.775 4.825,12.775 C23.1
SW3: C25.1 R27.2 U1.14 | length 21.9
  Top Layer w0.15: v1(-15.8,-7.4) C25.1 R27.2 ; v1(-6.6,1.6) -5.9,2.3 -4.2,2.3 -3.55,2.95 U1.14
  Bottom Layer w0.15: v1(-15.8,-7.4) -15.8,-4.7 -9.5,1.6 v1(-6.6,1.6)
SW4: C20.1 R22.2 U1.17 | length 34.7
  Top Layer w0.15: v1(-3.6,7.225) -3.175,6.8 -2.8,6.8 -2.05,6.05 U1.17 ; R22.2 C20.1 7.3,-13.5 v1(7.7,-13.9)
  Bottom Layer w0.15: v1(-3.6,7.225) -3.6,7.2 -4.8,6 -4.8,2.1 -0.2,-2.5 2.6,-2.5 6.2,-6.1 6.2,-12.4 v1(7.7,-13.9)
SW5: C22.1 R24.2 U1.11 | length 5.5
  Top Layer w0.15: R24.2 C22.1 -8.3,4.7 -7.6,4.7 -6.55,5.75 U1.11
SW6: C24.1 R26.2 U1.16 | length 28.5
  Top Layer w0.15: v1(-3,6) -2.55,5.55 U1.16 ; C24.1 R26.2 v1(14.9,-3.8)
  Bottom Layer w0.15: v1(-3,6) -3,2.3 0.6,-1.3 3.2,-1.3 5.7,-3.8 v1(14.9,-3.8)
SWD.CLK: P1.3 U1.37 | length 4.4
  Top Layer w0.15: v1(0.5,9.9) 1.45,10.85 U1.37
  Bottom Layer w0.15: P1.3 0,10.4 v1(0.5,9.9)
SWD.IO: P1.4 U1.34 | length 5.8
  Top Layer w0.15: v1(-0.4,9.3) 1.25,9.3 1.7,9.75 U1.34
  Bottom Layer w0.15: P1.4 -1,9.9 v1(-0.4,9.3)
USB.D_N: R12.2 U1.32 | length 6.3
  Top Layer w0.15: U1.32 3.725,8.75 3.825,8.85 8.65,8.85 R12.2
USB.D_P: R13.2 U1.33 | length 6.4
  Top Layer w0.15: U1.33 3.725,9.25 3.825,9.15 8.45,9.15 R13.2
VFILT: C29.1 C30.1 C31.1 C32.1 C33.1 U7.9 U7.10 U7.16 | length 22.6
  Top Layer w0.25: U7.10 -1.55,-3.75 -1.6,-3.7 ; U7.9 -1.45,-3.25 -1.6,-3.4 -1.6,-3.7 ; U7.16 2.35,-5.75 v1(2.025,-6.075) -1.225,-6.075 v1(-1.6,-5.7) -1.6,-3.7
  Top Layer w0.5: C29.1 C30.1 C31.1@-0.8,-12.5 ; v1(-1.3,-13.8) -1.3,-13 C31.1@-0.8,-12.5 ; C31.1 C31.1@-0.8,-12.5 ; C31.1@-0.6,-12.5 -0.1,-13 v1(-0.1,-13.8) ; C32.1 C33.1 1.7,-12.5 C31.1@-0.8,-12.5
VUSB: D7.4 J1.1 R11.1 | length 5
  Top Layer w0.3: D7.4 13.15,6 R11.1 13.65,5.5 14.3,5.5 14.6,5.2 15.3,5.2 J1.1
pads on no net: J1.4 P1.Z1 P1.Z2 U1.4 U1.19 U1.20 U1.40 U1.41 U1.45 U1.46 U3.3 U3.4 U3.7 U7.12 U7.13 U7.15 U7.22 U7.32 U7.34 U7.39 U8.2 Y1.2 Y1.4

## Polygon pours and split planes (outlines as drawn)
GND on L2 "GND_L02_P000" (solid, remove dead copper, pour order 0): -20,20 19,20 19,0 19,-19 -20,-19
3V3 on L3 "3V3_L03_P002" (solid, remove dead copper, pour order 2): -20,20 19,20 19,0 19,-19 -20,-19
GND on Bottom Layer "GND_L04_P004" (solid, remove dead copper, pour order 4): -20,20 19,20 19,0 19,-19 -20,-19

## Keep-outs
Keep-Out Layer:
  lines w0.1: -17.687,17.25 -12.25,17.25 -12.25,18.679 ; -18.798,-15.992 -16.131,-18.659 -10.543,-18.659 -10.542,-18.646 -10.525,-18.558 -10.502,-18.472 -10.471,-18.388 -10.432,-18.307 -10.387,-18.23 -10.336,-18.157 -10.278,-18.089 -10.214,-18.027 -10.145,-17.97 -10.072,-17.919 -9.994,-17.875 -9.913,-17.837 -9.829,-17.807 -9.742,-17.785 -9.654,-17.77 -9.565,-17.763 -9.476,-17.763 -9.387,-17.772 -9.299,-17.788 -9.213,-17.811 -9.129,-17.843 -9.049,-17.881 -8.972,-17.926 -8.899,-17.978 -8.831,-18.036 -8.768,-18.099 -8.711,-18.168 -8.66,-18.241 -8.616,-18.319 -8.579,-18.4 -8.549,-18.484 -8.526,-18.571 -8.511,-18.659 -7.622,-18.659 -7.618,-18.587 -7.586,-18.443 -7.521,-18.3 -7.423,-18.159 -7.294,-18.02 -7.134,-17.883 -6.943,-17.75 -6.723,-17.621 -6.473,-17.496 -6.196,-17.376 -5.893,-17.262 -5.564,-17.154 -5.211,-17.052 -4.836,-16.957 -4.441,-16.869 -4.026,-16.789 -3.594,-16.717 -3.147,-16.653 -2.686,-16.598 -2.214,-16.552 -1.733,-16.514 -1.244,-16.486 -0.749,-16.467 -0.252,-16.458 0.247,-16.458 0.745,-16.467 1.239,-16.486 1.728,-16.514 2.21,-16.552 2.682,-16.598 3.143,-16.653 3.59,-16.717 4.022,-16.789 4.436,-16.869 4.832,-16.957 5.207,-17.052 5.559,-17.154 5.888,-17.262 6.192,-17.376 6.469,-17.496 6.718,-17.621 6.938,-17.75 7.129,-17.883 7.29,-18.02 7.419,-18.159 7.516,-18.3 7.581,-18.443 7.614,-18.587 7.618,-18.659 8.38,-18.659 8.381,-18.646 8.398,-18.558 8.421,-18.472 8.452,-18.388 8.491,-18.307 8.536,-18.23 8.587,-18.157 8.645,-18.089 8.709,-18.027 8.778,-17.97 8.851,-17.919 8.929,-17.875 9.01,-17.837 9.094,-17.807 9.181,-17.785 9.269,-17.77 9.358,-17.763 9.447,-17.763 9.536,-17.772 9.624,-17.788 9.71,-17.811 9.794,-17.843 9.874,-17.881 9.951,-17.926 10.024,-17.978 10.092,-18.036 10.155,-18.099 10.212,-18.168 10.263,-18.241 10.307,-18.319 10.344,-18.4 10.374,-18.484 10.397,-18.571 10.412,-18.659 16.127,-18.659 18.667,-16.119 18.667,16.266 16.254,18.679 10.285,18.679 10.283,18.666 10.267,18.578 10.243,18.492 10.212,18.408 10.174,18.327 10.129,18.25 10.077,18.177 10.019,18.109 9.955,18.047 9.887,17.99 9.813,17.939 9.736,17.895 9.654,17.858 9.57,17.828 9.484,17.805 9.396,17.79 9.307,17.783 9.217,17.783 9.128,17.792 9.041,17.808 8.954,17.832 8.871,17.863 8.79,17.901 8.713,17.946 8.64,17.998 8.572,18.056 8.509,18.119 8.452,18.188 8.402,18.262 8.357,18.339 8.32,18.42 8.29,18.505 8.268,18.591 8.253,18.679 7.459,18.679 7.459,18.608 7.427,18.466 7.362,18.326 7.265,18.186 7.136,18.049 6.976,17.915 6.785,17.784 6.565,17.656 6.316,17.533 6.04,17.415 5.737,17.303 5.409,17.196 5.057,17.095 4.682,17.002 4.288,16.915 3.874,16.836 3.443,16.765 2.996,16.703 2.536,16.648 2.065,16.603 1.584,16.566 1.096,16.538 0.603,16.52 0.106,16.51 -0.392,16.51 -0.889,16.52 -1.382,16.538 -1.87,16.566 -2.351,16.603 -2.822,16.648 -3.282,16.703 -3.729,16.765 -4.16,16.836 -4.573,16.915 -4.968,17.002 -5.343,17.095 -5.695,17.196 -6.023,17.303 -6.326,17.415 -6.602,17.533 -6.851,17.656 -7.071,17.784 -7.262,17.915 -7.422,18.049 -7.551,18.186 -7.648,18.326 -7.713,18.466 -7.745,18.608 -7.749,18.679 -8.511,18.679 -8.513,18.666 -8.529,18.578 -8.553,18.492 -8.584,18.408 -8.622,18.327 -8.667,18.25 -8.719,18.177 -8.777,18.109 -8.841,18.047 -8.909,17.99 -8.983,17.939 -9.06,17.895 -9.142,17.858 -9.226,17.828 -9.312,17.805 -9.4,17.79 -9.489,17.783 -9.579,17.783 -9.668,17.792 -9.755,17.808 -9.842,17.832 -9.925,17.863 -10.006,17.901 -10.083,17.946 -10.156,17.998 -10.224,18.056 -10.287,18.119 -10.344,18.188 -10.394,18.262 -10.439,18.339 -10.476,18.42 -10.506,18.505 -10.528,18.591 -10.543,18.679 -16.258,18.679 -18.798,16.139 -18.798,-15.992
  text ".Layer_Name" at 268.5,-64 h3.5

## Other copper
Top Layer:
  text "1" at -16,17.5 h0.8
  text ".Layer_Name" at 268.5,-64 h3.5
L2:
  text "2" at -15,17.5 h0.8
  text ".Layer_Name" at 268.5,-64 h3.5
L3:
  region net VFILT: 1.3,-5.7 0.75,-6.25 -0.5,-6.25 -1.45,-5.3 -2,-5.3 -2,-14.2 0.247,-14.2 0.247,-8.753 2.4,-6.6 2.4,-5.7
  text "3" at -13.5,17.5 h0.8
  text ".Layer_Name" at 268.5,-64 h3.5
Bottom Layer:
  region net GND: 5.1,10.175 5.125,10.2 5.901,10.2 6.073,10.372 6.203,10.372 6.5,10.075 6.293,9.868 6.769,9.391 6.769,9.284 6.661,9.176 4.999,9.176 4.7,9.475
  region net GND: -5.55,1.6 -5.55,1.3 -5.775,1.075 -5.775,1 -4.514,1 -4.85,1.336 -4.85,1.6
  region net GND: 5.181,3.276 5.307,3.15 5.325,3.15 5.425,3.05 5.425,2.575 5.3,2.45 4.95,2.45 4.776,2.276 4.522,2.276
  text "4" at -12.5,17.5 h0.8
  text ".Layer_Name" at 268.5,-64 h3.5

## Silkscreen, mask and mechanical layers (free items; w line width, h text height)
Top Overlay:
  lines w0.15: 15.518,-0.75 15.95,-0.25 15.75,0 15.95,0.25 16.12,0.573 ; 17.78,-0.573 18.175,-0.5 18,0 18.3,0 18,0.5 18.518,0.5
  lines w0.2: 10.208,-1.823 ccw(c11.25,0) 12.292,-1.823 ; 10.208,1.823 cw(c11.25,0) 12.292,1.823 ; 10.235,-2.285 ccw(c11.25,0) 12.265,-2.285 ; 10.235,2.285 cw(c11.25,0) 12.265,2.285 ; 10.259,2.725 cw(c11.25,0) 12.233,2.728 ; 10.267,-2.728 ccw(c11.25,0) 12.241,-2.725
  lines w0.5: -17.032,0.738 cw(c-11.43,0) -16.65,2.162 ; -17.031,-0.737 ccw(c-11.43,0) -16.65,-2.162 ; -15.912,-3.439 ccw(c-11.43,0) -14.869,-4.482 ; -15.912,3.44 cw(c-11.43,0) -14.869,4.483 ; -13.592,-5.22 ccw(c-11.43,0) -12.167,-5.602 ; -13.592,5.22 cw(c-11.43,0) -12.167,5.602 ; -10.692,-5.601 ccw(c-11.43,0) -9.268,-5.22 ; -10.693,5.602 cw(c-11.43,0) -9.268,5.22 ; -7.99,-4.482 ccw(c-11.43,0) -6.947,-3.439 ; -7.99,4.482 cw(c-11.43,0) -6.948,3.44 ; -6.21,-2.162 ccw(c-11.43,0) -5.828,-0.737 ; -6.21,2.162 cw(c-11.43,0) -5.828,0.737
  text "AREA" at 8.825,-13.725 h1.6
  text "3001" at 8.9,-15.125 h1.6
  text "Koen / Bart / Wim" at -13,-16.5 h0.8
  text ".Layer_Name" at 268.5,-64 h3.5
Bottom Overlay:
  drawing of 29 lines, arcs and shapes, not listed
  text "AREA 3001" at -5.75,15.25 h1.8
  text "sw04-06_00" at -4.5,13.25 h1.8
  text "SN" at -4.5,10.75 h1.8
  text "3V3" at 3.35,7.35 h0.8 r270
  text "DIO" at 4.35,7.35 h0.8 r270
  text "CLK" at 5.35,7.35 h0.8 r270
  text "RST" at 6.35,7.35 h0.8 r270
  text "GND" at 7.35,7.35 h0.8 r270
  text "knixx" at 13.25,-2.4 h11 r348.06
  text "8" at 7.55,-2.65 h0.8
  text "9" at 10.375,-3.35 h0.8
  text "INFO" at -10,-5.8 h1.8
  text "WIM" at 1.875,-13 h2.5 r348
  text ".Layer_Name" at 268.5,-64 h3.5
Top Paste:
  rectangle: 2.25,-3.4 3.9,-1.65
  region: 1.95,-1.65 0.3,-1.65 0.3,-3.4 1.95,-3.4
  region: 1.95,0.4 0.3,0.4 0.3,-1.35 1.95,-1.35
  rectangle: 2.25,-1.35 3.9,0.4
  text ".Layer_Name" at 268.5,-64 h3.5
Bottom Paste:
  text ".Layer_Name" at 268.5,-64 h3.5
Top Solder:
  region: -16.258,18.679 -17.687,17.25 -12.25,17.25 -12.25,18.679
  text ".Layer_Name" at 268.5,-64 h3.5
Bottom Solder:
  region: -16.258,18.679 -17.687,17.25 -12.25,17.25 -12.25,18.679
  text ".Layer_Name" at 268.5,-64 h3.5
Drill Guide:
  text ".Layer_Name" at 268.5,-64 h3.5
3D Symbols:
  text ".Layer_Name" at 268.5,-64 h3.5
Outline:
  drawing of 248 lines, arcs and shapes, not listed
Comments:
  text ".Layer_Name" at 268.5,-64 h3.5
Fabrication:
  text "All Dimensions are in mm" at -25,-57 h1
  text ".Layer_Name" at 268.5,-64 h3.5
Placebound Top:
  text ".Layer_Name" at 268.5,-64 h3.5
Placebound Bottom:
  text ".Layer_Name" at 268.5,-64 h3.5
Frame:
  drawing of 15 lines, arcs and shapes, not listed
  text "Document" at 264,-49 h2
  text ".PCB_TITLE" at 265.5,-54.5 h4
  text "Layer Name" at 264,-59 h2
  text "Date" at 264,-69 h2
  text "Rev" at 304,-69 h2
  text ".Print_Date" at 267,-74.5 h3.5
  text ".PCB_REV" at 308.5,-74.5 h4
  text "Desginer" at 214,-79 h2
  text "Document" at 264,-79 h2
  text ".Pcb_File_Name_No_Path" at 265.5,-84 h1.5
  text ".PCB_ENGINEER" at 218.5,-84.5 h4
Assembly Top:
  text ".Layer_Name" at 268.5,-64 h0.8
Assembly Bottom:
  text ".Layer_Name" at 268.5,-64 h0.8
Drill Drawing:
  text ".legend" at 22.5,-23.25 h1

## Dimensions
-18.798,-15.992 to 18.667,-16.119 on Fabrication
10.412,-18.659 to 10.285,18.679 on Fabrication

## Text inside footprints (layer, text, board x,y; h text height)
CON1: Assembly Bottom "WIRE SIDE" at 2.75,-4.5 h0.8; Assembly Bottom "BLK" at -2.75,-12.5 h0.8; Assembly Bottom "RED" at 3,-12.5 h0.8
J1: Bottom Overlay "5" at 15.6,9 h0.4 r270; Bottom Overlay "4" at 14.7,8.4 h0.4 r270; Bottom Overlay "2" at 14.7,5.4 h0.4 r270; Bottom Overlay "1" at 15.6,4.9 h0.4 r270